# Altium PCB Jackson.PcbDoc (part 1 of 2) (continued)
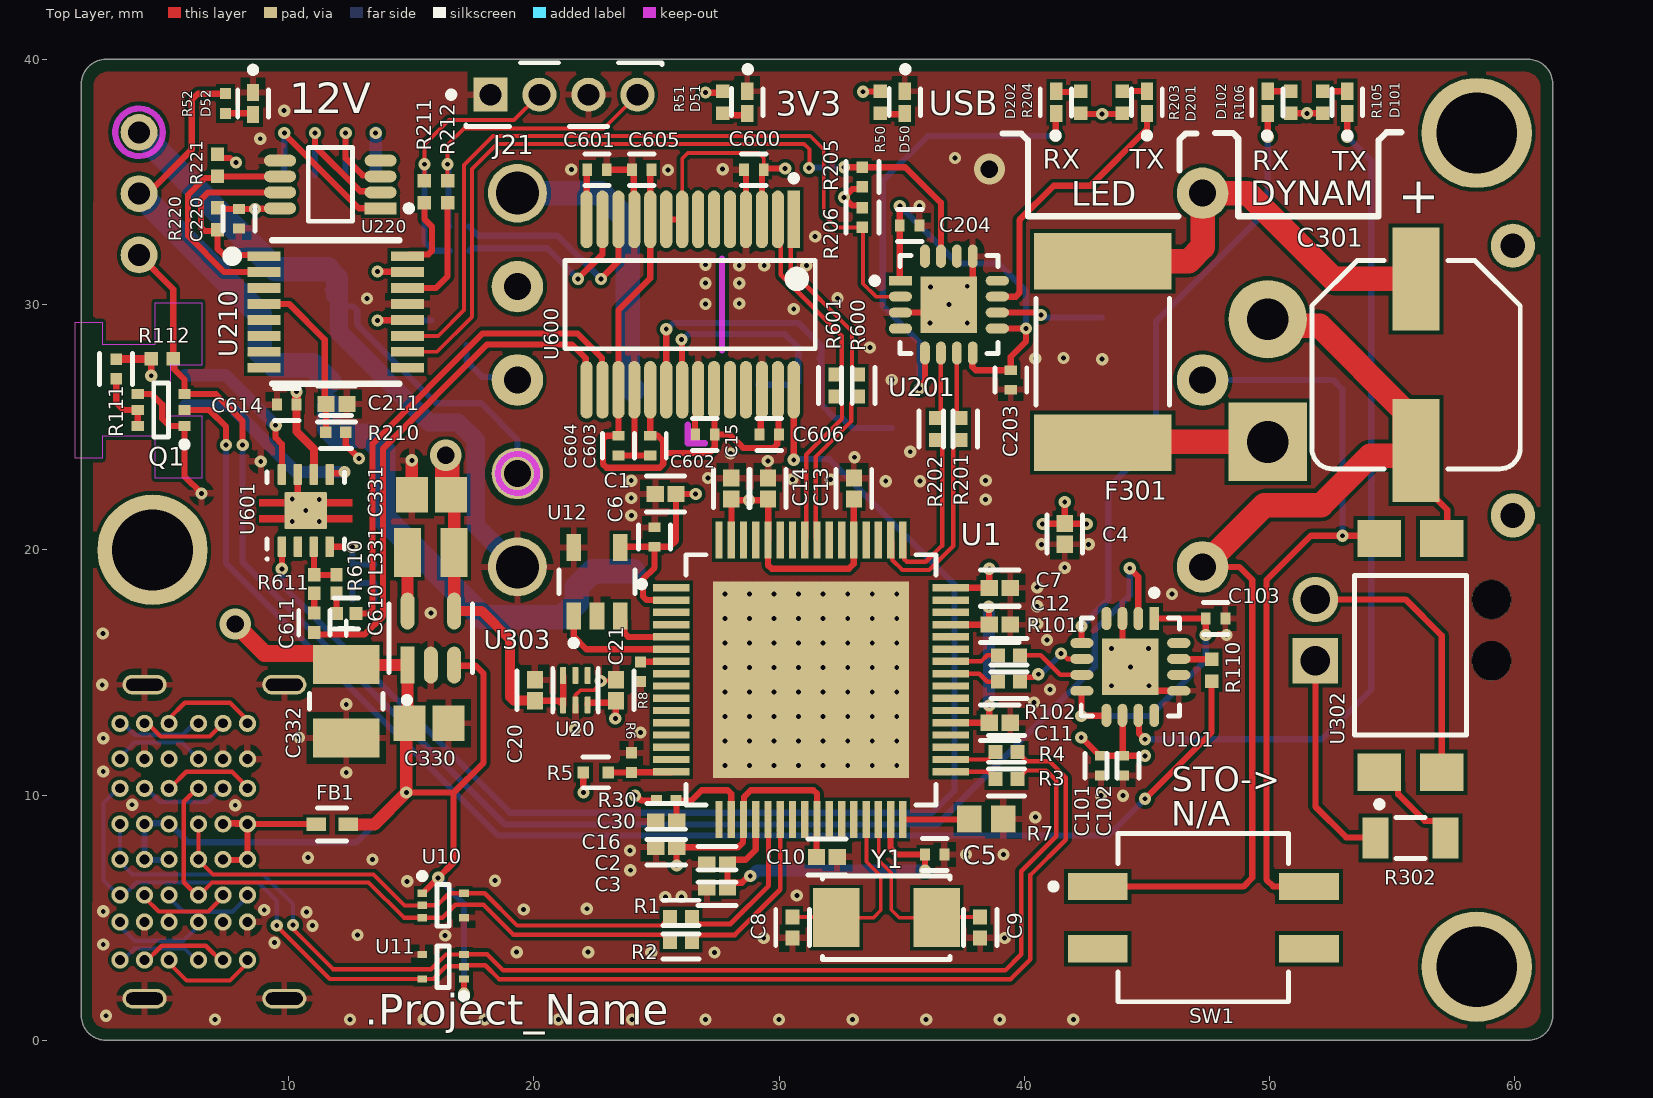
[diagram p0: Top Layer view]
## Components (designator, comment, footprint, x,y, rotation, side; value= is the part's Value field where it differs from the comment) (continued)
L331 "74404024100" WE-LQS_2512 15.8,19.9 r0 top
Q1 "MBT3904DW1T1G" ONSC-SOT-363-6-419B-02_W_V 4.8,25.7 r180 top
R1 "ERJ-2RKF27R0X" FP-ERJ2R-IPC_B 26,5.025 r0 top
R2 "ERJ-2RKF27R0X" FP-ERJ2R-IPC_B 26,4 r0 top
R3 "ERJ-2RKF27R0X" FP-ERJ2R-IPC_B 39.275,10.65 r0 top
R4 "ERJ-2RKF27R0X" FP-ERJ2R-IPC_B 39.275,11.75 r0 top
R5 "ERJ-2RKF9092X" FP-ERJ2RK-MFG 22.525,10.925 r0 top
R6 "ERJ2RKF1002X" RESC1005X40X25LL05T05 23.975,11.325 r270 top
R7 "ERA-3AED9531V" RESC1608X55X30ML20T20 38.45,9.025 r180 top
R8 "ERJ2RKF1002X" RESC1005X40X25LL05T05 24.354,15.024 r90 top
R30 "ERJ2RKF1002X" RESC1005X40X25LL05T05 25.4,9.775 r180 top
R50 "ERJ-2GEJ102X" RESC1005X40X25NL05T05 34.125,38.25 r90 top
R51 "ERJ-2GEJ102X" RESC1005X40X25NL05T05 27.7,38.25 r90 top
R52 "ERJ2RKF1002X" RESC1005X40X25LL05T05 7.425,38.2 r90 top
R101 "ERJ-2RKF27R0X" FP-ERJ2R-IPC_B 39.375,15.7 r0 top
R102 "ERJ-2RKF27R0X" FP-ERJ2R-IPC_B 39.375,14.625 r0 top
R105 "ERJ-2GEJ102X" RESC1005X40X25NL05T05 52.175,38.25 r270 top
R106 "ERJ-2GEJ102X" RESC1005X40X25NL05T05 50.875,38.25 r270 top
R110 "ERJ-2GEJ102X" RESC1005X40X25NL05T05 47.637,15.088 r270 top
R111 "ERJ-2RKF1003X" FP-ERJ2RK-IPC_C 2.963,27.375 r90 top
R112 "ERJ-2GEJ102X" RESC1005X40X25NL05T05 4.85,27.8 r180 top
R201 "ERJ-2RKF27R0X" FP-ERJ2R-IPC_B 37.4,24.925 r90 top
R202 "ERJ-2RKF27R0X" FP-ERJ2R-IPC_B 36.4,24.925 r90 top
R203 "ERJ-2GEJ102X" RESC1005X40X25NL05T05 44,38.25 r270 top
R204 "ERJ-2GEJ102X" RESC1005X40X25NL05T05 42.3,38.25 r270 top
R205 "ERJ-2RKF1003X" FP-ERJ2RK-IPC_C 33.4,35.2 r90 top
R206 "ERJ-2RKF1003X" FP-ERJ2RK-IPC_C 33.4,33.55 r270 top
R210 "ERJ-2RKF1003X" FP-ERJ2RK-IPC_C 11.925,24.8 r0 top
R211 "ERJ-2GEJ102X" RESC1005X40X25NL05T05 15.539,34.6 r90 top
R212 "ERJ-2GEJ102X" RESC1005X40X25NL05T05 16.482,34.6 r90 top
R220 "ERJ-2GEJ102X" RESC1005X40X25NL05T05 7.1,33.5 r90 top
R221 "ERJ-2GEJ102X" RESC1005X40X25NL05T05 7.1,35.675 r90 top
R301 "RN73C1E59KBTD" FP-RN731E-MFG 17.25,28.85 r90 bottom value=59KΩ
R302 "CR1206-JW-332ELF" FP-CR1206-IPC_B 55.75,8.25 r0 top
R600 "ERJ-2RKF27R0X" FP-ERJ2R-IPC_B 33.225,26.7 r90 top
R601 "ERJ-2RKF27R0X" FP-ERJ2R-IPC_B 32.3,26.7 r90 top
R610 "ERA2AEB683X" RESC1005X40X25LL10T10 11.95,18.6 r90 top
R611 "ERA2AEB683X" RESC1005X40X25LL10T10 11.05,18.6 r90 top
R612 "ERA2AEB683X" RESC1005X40X25LL10T10 12.6,19.025 r90 bottom
R613 "ERA2AEB683X" RESC1005X40X25LL10T10 13.5,19.025 r90 bottom
R620 "ERJ-2RKF1004X" RESC1005X40X25LL05T05 31.25,27.825 r180 bottom
SW1 "219-2MST" FP-219-2MST-MFG 47.3,5 r270 top
U1 "TUSB4041IPAPRQ1" FP-PAP0064K-MFG 31.3,14.7 r0 top
U10 "TPD2E001DRLRG4" DRL0005A_L 16.3,5.5 r0 top
U11 "TPD2E001DRLRG4" DRL0005A_L 16.3,3 r180 top
U12 "24FC01T-I/OT" FP-C04-091-OT-MFG 22.575,18.7 r90 top
U20 "TLV71211DSET" DSE0006A_V 21.696,14.277 r90 top
U101 "FT230XQ-R" FP-QFN-16-MFG 44.325,15.225 r270 top
U201 "FT230XQ-R" FP-QFN-16-MFG 36.925,30 r0 top
U210 "SC18IM704" TSSOP-16 11.925,29.7 r0 top
U220 "PCA9632DP1,118" FP-SOT505-1-IPC_C 11.7,34.9 r180 top
U301 "V48SD12005NNFA" "1/16 Brick" 33.3,26.924 r180 bottom
U302 "VO615A-8X017T" VISH-VO615A-XX017T_V 55.75,15.7 r90 top
U303 "TPS62203DBVR" FP-DBV0005A-IPC_B 15.8,16.4 r90 top
U600 "PCM2903CDB" FP-DB0028A-IPC_A 26.375,30 r270 top
U601 "TPA2006D1DRBR" DRB0008A_V 10.7,21.6 r90 top
U602 "ABM8-12.000MHZ-B2-T" FP-ABM8-MFG 31.825,25.85 r180 bottom
Y1 "ABM3-24.000MHZ-B2-T" FP-ABM3-MFG 34.375,5 r180 top

## Footprints (in the part's own frame and the unit in brackets; to place one, negate y for a bottom-side part, rotate by r counter-clockwise, add the part's x,y. Pads: shape width x height; smd on the part's side, far side on the other; paste and mask are expansions set on the pad)
"1/16 Brick" [mm]
  round 2.1 hole 1.1: 1(-13.97,7.62) 2(-13.97,0) 3(-13.97,-7.62) 5(13.97,-3.81) 6(13.97,0) 7(13.97,3.81)
  round 2.4 hole 1.75: 4(13.97,-7.62) 8(13.97,7.62)
  silkscreen extent -17,-11.9 17,11.9, body extent -16.55,-11.4 16.45,11.4, height 8.07
CAPC2013X140X50NL20T25 [mm] "Chip Capacitor, 2-Leads, Body 2.00x1.25mm, IPC Medium Density"
  rect 1.3x1.45 smd: 1(-0.8,0) 2(0.8,0)
  body extent -1.1,-0.72 1.1,0.72, height 1.4
DRB0008A_V [mm] "SON, 8-Leads, Body 3x3mm, Pitch 0.65mm, Thermal Pad 1.50 x 3.8mm"
  rrect29% 0.85x0.35 smd: 1(-1.475,0.975) 2(-1.475,0.325) 3(-1.475,-0.325) 4(-1.475,-0.975) 5(1.475,-0.975) 6(1.475,-0.325) 7(1.475,0.325) 8(1.475,0.975)
  rrect7% 1.5x1.75 smd: 9(0,0)
  Top Layer region: -0.185,0.875 -0.185,1.9 -0.465,1.9 -0.465,0.875
  Top Layer region: 0.185,-0.875 0.185,-1.9 0.465,-1.9 0.465,-0.875
  Top Layer region: -0.185,-0.875 -0.185,-1.9 -0.465,-1.9 -0.465,-0.875
  Top Layer region: 0.185,0.875 0.185,1.9 0.465,1.9 0.465,0.875
  silkscreen extent -2.02,-1.58 1.57,1.62, body extent -1.5,-1.5 1.5,1.5, height 1
DRL0005A_L [mm] "SOT23, 5-Leads, Body 1.7x1.3mm, Pitch 0.5mm, IPC High Density"
  rect 0.4x0.3 smd: 1(-0.85,0.5) 2(-0.85,0) 3(-0.85,-0.5) 4(0.85,-0.5) 5(0.85,0.5)
  silkscreen extent -0.97,-0.85 0.25,1.32, body extent -0.65,-0.85 0.65,0.85, height 0.6
DSE0006A_V [mm] "SON, 6-Leads, Body 1.55x1.55mm, Pitch 0.5mm, TI Recommended"
  rrect40% 0.66x0.25 smd: 1(-0.62,0.5)
  rrect40% 0.7x0.25 smd: 2(-0.6,0) 3(-0.6,-0.5) 4(0.6,-0.5) 5(0.6,0) 6(0.6,0.5)
  Top Layer region: -0.35,0.625 -0.25,0.625 -0.15,0.525 -0.15,0.375 -0.35,0.375
  silkscreen extent -0.9,-0.92 0.9,0.92, body extent -0.77,-0.77 0.77,0.77, height 0.8
"Dual USB C Connector" [mm] "USB-C31-D-RA-CS2"
  oval 0.8x1.8 hole 0.5 slot 1.5 at 90 deg: 1(-6.4,0) 1(-6.4,5.7) 1(6.4,0) 1(6.4,5.7)
  round 0.7 hole 0.4: 2A1(-3.375,4.7) 2A2(-4.825,4.7) 2A3(-4.825,5.7) 2A4(-0.725,4.7) 2A5(-2.175,4.7) 2A6(0.725,6.7) 2A7(2.175,6.7) 2A8(2.175,4.7) 2A9(0.725,4.7) 2A10(4.825,5.7) 2A11(4.825,4.7) 2A12(3.275,4.7) 2B1(3.275,5.7) 2B2(4.825,6.7) 2B3(3.275,6.7) 2B4(0.725,5.7) 2B5(2.175,5.7) 2B6(-0.725,6.7) 2B7(-2.175,6.7) 2B8(-2.175,5.7) 2B9(-0.725,5.7) 2B10(-3.375,6.7) 2B11(-4.825,6.7) 2B12(-3.375,5.7) A1(-3.375,1.5) A2(-4.825,1.5) A3(-4.825,2.5) A4(-0.725,1.5) A5(-2.175,1.5) A6(0.725,3.5) A7(2.175,3.5) A8(2.175,1.5) A9(0.725,1.5) A10(4.825,2.5) A11(4.825,1.5) A12(3.275,1.5) B1(3.275,2.5) B2(4.825,3.5) B3(3.275,3.5) B4(0.725,2.5) B5(2.175,2.5) B6(-0.725,3.5) B7(-2.175,3.5) B8(-2.175,2.5) B9(-0.725,2.5) B10(-3.375,3.5) B11(-4.825,3.5) B12(-3.375,2.5)
  silkscreen extent -6.4,-9.83 6.4,7.8, body extent -6.5,-9.82 6.5,7.88, height 15.4
FP-0ZCF0100AF2A-MFG [mm]
  rect 2.3x5.6 smd paste+0 mask+0: 1(-3.7,0) 2(3.7,0)
  silkscreen extent -2.17,-2.72 2.17,2.72, body extent -3.68,-2.56 3.68,2.56, height 1.7
FP-219-2MST-MFG [mil]
  rect 44x96 smd paste+0 mask+0: 1(-50,-169.5) 2(50,-169.5) 3(50,169.5) 4(-50,169.5)
  silkscreen extent -135,-245 135,137, body extent -139,-221 139,221, height 10
FP-53398-0467-MFG [mm]
  rect 0.8x1.3 smd paste+0 mask+0: 1(1.875,-2) 2(0.625,-2) 3(-0.625,-2) 4(-1.875,-2)
  rect 2.1x3 smd paste+0 mask+0: 5(-4.425,0.75) 6(4.425,0.75)
  silkscreen extent -4.97,-3.32 4.97,1.95, body extent -5.07,-2.35 5.07,1.85, height 4.9
FP-105313-1102-MFG [mm]
  rect 1.85x1.85 hole 1.2 paste-2539.97 mask+0: 1(1.25,6.88)
  round 1.85 hole 1.2 paste-2539.97 mask+0: 2(-1.25,6.88)
  round 1.6 hole 1.6 unplated paste-2539.97 mask+0: ""(-1.25,-0.3) ""(1.25,-0.3)
  silkscreen extent -3.07,-5.16 3.07,8.52, body extent -2.97,-4.97 2.97,7.19, height 6.82
FP-5055680271-MFG [mm]
  rect 0.8x1.2 smd paste+0 mask+0: 1(-0.625,-1.725) 2(0.625,-1.725)
  rect 1.3x2.15 smd paste+0 mask+0: 3(-2.525,0.57) 4(2.525,0.57)
  Keep-Out Layer region: -2.775,2.745 -2.775,1.645 -1.875,1.645 -1.875,-0.505 -3.575,-0.505 -3.575,-2.405 -1.025,-2.405 -1.025,-1.125 1.025,-1.125 1.025,-2.405 3.575,-2.405 3.575,-0.505 1.875,-0.505 1.875,1.645 2.775,1.645 2.775,2.745
  silkscreen extent -2.98,-3.15 2.98,2.02, body extent -2.87,-2 2.88,1.91, height 4.44
FP-ABM3-MFG [mm]
  rect 1.9x2.4 smd paste+0 mask+0: 1(-2.05,0) 2(2.05,0)
  silkscreen extent -2.6,-1.7 2.6,1.7, body extent -3.1,-1.8 3.1,1.8, height 0.25
FP-ABM8-MFG [mm]
  rect 1.3x1.05 smd paste+0 mask+0: 1(-1.15,-0.875) 2(1.15,-0.875) 3(1.15,0.875) 4(-1.15,0.875)
  silkscreen extent -2.5,-1.88 1.7,1.88, body extent -1.6,-1.25 1.6,1.25, height 0.8
FP-APHHS1005CGCK-MFG [mm]
  rect 0.7x0.5 smd paste+0 mask+0: 1(-0.45,0) 2(0.45,0)
  silkscreen extent -1.47,-0.63 0.55,0.65, body extent -0.9,-0.4 0.9,0.4, height 0.25
FP-APHHS1005LSECK-J4-PF-MFG [mm]
  rect 0.7x0.5 smd paste+0 mask+0: 1(-0.45,0) 2(0.45,0)
  silkscreen extent -1.47,-0.63 0.55,0.63, body extent -0.9,-0.4 0.9,0.4, height 0.25
FP-APHHS1005SURCK-MFG [mm]
  rect 0.7x0.5 smd paste+0 mask+0: 1(-0.45,0) 2(0.45,0)
  silkscreen extent -1.5,-0.63 0.55,0.63, body extent -0.9,-0.4 0.9,0.4, height 0.25
FP-C04-091-OT-MFG [mm]
  rect 1.1x0.6 smd paste+0 mask+0: 1(-1.4,0.95) 2(-1.4,0) 3(-1.4,-0.95) 4(1.4,-0.95) 5(1.4,0.95)
  silkscreen extent -2.62,-1.55 0.48,1.55, body extent -1.35,-1.45 1.35,1.45, height 1.45
FP-C0402-BB-MFG [mm]
  rect 0.52x0.52 smd paste+0 mask+0: 1(-0.4,0) 2(0.4,0)
  silkscreen extent -0.5,-0.64 0.5,0.64, body extent -0.5,-0.25 0.5,0.25, height 0.55
FP-CR1206-IPC_B [mm]
  rect 1.058x1.662 smd paste+0 mask+0: 1(-1.427,0) 2(1.427,0)
  silkscreen extent -0.6,-0.83 0.6,0.83, body extent -1.55,-0.77 1.55,0.77, height 0.65
FP-DB0028A-IPC_A [mm]
  rect 2.353x0.495 smd paste+0 mask+0: 1(-3.475,4.225)
  rrect100% 2.353x0.495 smd paste+0 mask+0: 2(-3.475,3.575) 3(-3.475,2.925) 4(-3.475,2.275) 5(-3.475,1.625) 6(-3.475,0.975) 7(-3.475,0.325) 8(-3.475,-0.325) 9(-3.475,-0.975) 10(-3.475,-1.625) 11(-3.475,-2.275) 12(-3.475,-2.925) 13(-3.475,-3.575) 14(-3.475,-4.225) 15(3.475,-4.225) 16(3.475,-3.575) 17(3.475,-2.925) 18(3.475,-2.275) 19(3.475,-1.625) 20(3.475,-0.975) 21(3.475,-0.325) 22(3.475,0.325) 23(3.475,0.975) 24(3.475,1.625) 25(3.475,2.275) 26(3.475,2.925) 27(3.475,3.575) 28(3.475,4.225)
  silkscreen extent -5.28,-5.1 1.8,5.1, body extent -3.9,-5.1 3.9,5.1, height 2
FP-DBV0005A-IPC_B [mm]
  rect 1.505x0.572 smd paste+0 mask+0: 1(-1.1,0.95)
  rrect100% 1.505x0.572 smd paste+0 mask+0: 2(-1.1,0) 3(-1.1,-0.95) 4(1.1,-0.95) 5(1.1,0.95)
  silkscreen extent -2.65,-1.7 1.4,1.7, body extent -2.1,-1.7 2.1,1.7, height 0.25
FP-ERJ2R-IPC_B [mm]
  rect 0.568x0.572 smd paste+0 mask+0: 1(-0.452,0) 2(0.452,0)
  silkscreen extent -0.74,-0.69 0.74,0.69, body extent -0.89,-0.44 0.89,0.44, height 0.25
FP-ERJ2RK-IPC_C [mm]
  rect 0.468x0.472 smd paste+0 mask+0: 1(-0.402,0) 2(0.402,0)
  silkscreen extent -0.64,-0.67 0.64,0.67, body extent -0.74,-0.38 0.74,0.38, height 0.25
FP-ERJ2RK-MFG [mm]
  rect 0.475x0.5 smd paste+0 mask+0: 1(-0.513,0) 2(0.513,0)
  silkscreen extent -0.53,-0.63 0.53,0.63, body extent -0.85,-0.38 0.85,0.38, height 0.25
FP-GJM155-0_05-IPC_B [mm]
  rect 0.615x0.572 smd paste+0 mask+0: 1(-0.429,0) 2(0.429,0)
  silkscreen extent -0.74,-0.69 0.74,0.69, body extent -0.89,-0.44 0.89,0.44, height 0.25
FP-GRM155-0_05-MFG [mm]
  rect 0.4x0.5 smd paste+0 mask+0: 1(-0.4,0) 2(0.4,0)
  silkscreen extent -0.5,-0.65 0.5,0.65, body extent -0.7,-0.38 0.7,0.38, height 0.25
FP-GRM155-0_15-IPC_B [mm]
  rect 0.704x0.658 smd paste+0 mask+0: 1(-0.427,0) 2(0.427,0)
  silkscreen extent -0.78,-0.73 0.78,0.73, body extent -0.93,-0.48 0.93,0.48, height 0.25
FP-LI0402-MFG [mm]
  rect 0.8x0.55 smd paste+0 mask+0: 1(-0.65,0) 2(0.65,0)
  silkscreen extent -0.6,-0.67 0.6,0.67, body extent -1.15,-0.45 1.15,0.45, height 0.25
FP-PAP0064K-MFG [mm]
  rect 1.5x0.3 smd paste+0 mask+0: 1(-5.7,3.75) 2(-5.7,3.25) 3(-5.7,2.75) 4(-5.7,2.25) 5(-5.7,1.75) 6(-5.7,1.25) 7(-5.7,0.75) 8(-5.7,0.25) 9(-5.7,-0.25) 10(-5.7,-0.75) 11(-5.7,-1.25) 12(-5.7,-1.75) 13(-5.7,-2.25) 14(-5.7,-2.75) 15(-5.7,-3.25) 16(-5.7,-3.75) 33(5.7,-3.75) 34(5.7,-3.25) 35(5.7,-2.75) 36(5.7,-2.25) 37(5.7,-1.75) 38(5.7,-1.25) 39(5.7,-0.75) 40(5.7,-0.25) 41(5.7,0.25) 42(5.7,0.75) 43(5.7,1.25) 44(5.7,1.75) 45(5.7,2.25) 46(5.7,2.75) 47(5.7,3.25) 48(5.7,3.75)
  rect 0.3x1.5 smd paste+0 mask+0: 17(-3.75,-5.7) 18(-3.25,-5.7) 19(-2.75,-5.7) 20(-2.25,-5.7) 21(-1.75,-5.7) 22(-1.25,-5.7) 23(-0.75,-5.7) 24(-0.25,-5.7) 25(0.25,-5.7) 26(0.75,-5.7) 27(1.25,-5.7) 28(1.75,-5.7) 29(2.25,-5.7) 30(2.75,-5.7) 31(3.25,-5.7) 32(3.75,-5.7) 49(3.75,5.7) 50(3.25,5.7) 51(2.75,5.7) 52(2.25,5.7) 53(1.75,5.7) 54(1.25,5.7) 55(0.75,5.7) 56(0.25,5.7) 57(-0.25,5.7) 58(-0.75,5.7) 59(-1.25,5.7) 60(-1.75,5.7) 61(-2.25,5.7) 62(-2.75,5.7) 63(-3.25,5.7) 64(-3.75,5.7)
  rect 8x8 all layers, no hole paste-2539.97: 65(0,0)
  silkscreen extent -7.02,-5.1 5.1,5.1, body extent -6.55,-6.55 6.55,6.55, height 0.25
FP-POSCAP-B1S-MFG [mm]
  rect 1.6x2.7 smd paste+0 mask+0: 1(-1.5,0) 2(1.5,0)
  silkscreen extent -0.33,-1.5 3.27,1.5, body extent -2.4,-1.6 2.4,1.6, height 0.25
FP-QFN-16-MFG [mm]
  rect 0.95x0.4 smd paste+0 mask+0: 1(-1.975,0.975)
  rrect100% 0.95x0.4 smd paste+0 mask+0: 2(-1.975,0.325) 3(-1.975,-0.325) 4(-1.975,-0.975) 9(1.975,-0.975) 10(1.975,-0.325) 11(1.975,0.325) 12(1.975,0.975)
  rrect100% 0.4x0.95 smd paste+0 mask+0: 5(-0.975,-1.975) 6(-0.325,-1.975) 7(0.325,-1.975) 8(0.975,-1.975) 13(0.975,1.975) 14(0.325,1.975) 15(-0.325,1.975) 16(-0.975,1.975)
  rect 2.3x2.3 smd paste+0 mask+0: 17(0,0)
  silkscreen extent -3.15,-2 2,2, body extent -2.55,-2.55 2.55,2.55, height 0.25
FP-RN731E-MFG [mm]
  rect 0.5x0.6 smd paste+0 mask+0: 1(-0.5,0) 2(0.5,0)
  silkscreen extent -0.53,-0.67 0.53,0.67, body extent -0.5,-0.25 0.5,0.25, height 0.35
FP-SOT505-1-IPC_C [mm]
  rect 1.305x0.482 smd paste+0 mask+0: 1(-2.05,0.975)
  rrect100% 1.305x0.482 smd paste+0 mask+0: 2(-2.05,0.325) 3(-2.05,-0.325) 4(-2.05,-0.975) 5(2.05,-0.975) 6(2.05,-0.325) 7(2.05,0.325) 8(2.05,0.975)
  silkscreen extent -3.33,-1.5 0.9,1.5
FP-TMM-104-01-S-S-MFG [mm]
  rect 1.39x1.39 hole 0.89 paste-2539.97 mask+0: 1(-3,0)
  round 1.39 hole 0.89 paste-2539.97 mask+0: 2(-1,0) 3(1,0) 4(3,0)
  silkscreen extent -4.72,-1.3 4,1.3, body extent -4.1,-2.07 4.1,2.07, height 0.25
"JST B3B-EH-A" [mm]
  round 1.5 hole 0.9: 1(-2.5,0) 2(0,0) 3(2.5,0)
  silkscreen extent -4.75,-1.9 4.75,1.91, body extent -5,-2.2 5,1.6, height 6
ONSC-SOT-363-6-419B-02_W_V [mm] "SOT23, 6-Leads, Body 2x1.25mm, Pitch 0.65mm"
  rect 0.5x0.4 smd: 1(-0.95,0.65) 2(-0.95,0) 3(-0.95,-0.65) 4(0.95,-0.65) 5(0.95,0) 6(0.95,0.65)
  silkscreen extent -1.08,-1.1 0.3,1.52, body extent -0.63,-1 0.63,1, height 1.1
RESC1005X40X25LL05T05 [mm] "Chip Resistor, 2-Leads, Body 1.05x0.55mm, IPC High Density"
  rect 0.45x0.45 smd: 1(-0.4,0) 2(0.4,0)
  body extent -0.53,-0.28 0.53,0.28, height 0.4
RESC1005X40X25LL10T10 [mm] "Chip Resistor, 2-Leads, Body 1.00x0.50mm, IPC High Density"
  rect 0.55x0.5 smd: 1(-0.375,0) 2(0.375,0)
  body extent -0.55,-0.3 0.55,0.3, height 0.4
RESC1005X40X25NL05T05 [mm] "Chip Resistor, 2-Leads, Body 1.00x0.50mm, IPC Medium Density"
  rect 0.55x0.55 smd: 1(-0.45,0) 2(0.45,0)
  body extent -0.53,-0.27 0.53,0.28, height 0.4
RESC1608X55X30ML20T20 [mm] "Chip Resistor, 2-Leads, Body 1.60x0.80mm, IPC Low Density"
  rect 1x1.1 smd: 1(-0.7,0) 2(0.7,0)
  body extent -0.9,-0.5 0.9,0.5, height 0.55
TSSOP-16 [mm]
  rect 1.35x0.4 smd: 1(-2.925,2.275) 2(-2.925,1.625) 3(-2.925,0.975) 4(-2.925,0.325) 5(-2.925,-0.325) 6(-2.925,-0.975) 7(-2.925,-1.625) 8(-2.925,-2.275) 9(2.925,-2.275) 10(2.925,-1.625) 11(2.925,-0.975) 12(2.925,-0.325) 13(2.925,0.325) 14(2.925,0.975) 15(2.925,1.625) 16(2.925,2.275)
  silkscreen extent -4.37,-2.93 2.6,2.93
VISH-VO615A-XX017T_V [mm] "SMD, 4-Leads, Body 6.5x4.58mm, Pitch 2.54mm"
  rect 1.52x1.78 smd: 1(-4.765,1.27) 2(-4.765,-1.27) 3(4.765,-1.27) 4(4.765,1.27)
  silkscreen extent -6.2,-2.29 3.25,2.29, body extent -5.08,-2.29 5.08,2.29, height 3.69
WCAP-HSG5_D6.3H7.7 [mm] "Aluminum Hybrid Polymer Capacitor, SMT, body diameter 6.3mm"
  rect 3.5x1.6 smd: 1(2.8,0) 2(-2.8,0)
  silkscreen extent -3.4,-3.4 3.4,3.4, body extent -3.6,-3.3 3.6,3.3, height 7.75
WCAP-HSG5_D8H10.5 [mm] "Aluminum Hybrid Polymer Capacitor, SMT, body diameter 8mm"
  rect 4.2x1.9 smd: 1(3.5,0) 2(-3.5,0)
  silkscreen extent -4.25,-4.25 4.25,4.25, body extent -4.5,-4.15 4.5,4.15, height 10.55
WE-LQS_2512 [mm] "SMD Power Inductor, 2-Leads, body 2.5x2mm"
  rect 1.1x2 smd: 1(-0.95,0) 2(0.95,0)
  body extent -1.25,-1 1.25,1, height 1.2
XT30PW_M [mm] "Amass XT30 RA TH male header"
  rect 3.2x3.2 hole 1.7 mask+0.064: 1(-2.5,0)
  round 3.2 hole 1.7 mask+0.064: 2(2.5,0)
  round 1.8 hole 1 mask+0.064: 21(-5.5,10) 21(5.5,10)
  silkscreen extent -7.75,4.25 7.75,13.25, body extent -6.65,-0.85 6.65,13.1, height 5

## Part data
C1 C2 C3 C4 C7 C10 C11 C12 C13 C14 C15 C16 C20 C21 C30 C211: library part CMP-06035-007392-1, "Chip Multilayer Ceramic Capacitors for General Purpose, 0402, 10000pF, C0G, 30ppm/°C, 2%, 25V"
C5 C6 C101 C102 C103 C201 C202 C203 C204 C210 C220 C600 C601 C602 C603 C604 C605 C606 C614: library part CMP-2008-04587-2, "Chip Multilayer Ceramic Capacitors for General Purpose, 0402, 1.0uF, X7R, 15%, 10%, 6.3V", Capacitance=1uF, Case Code (Imperial)=0402, Case Code (Metric)=1005, Dielectric=X7R, Max Operating Temperature=125°C, Min Operating Temperature=-55°C, Package Quantity=10000, Tolerance=10%, Voltage Rating=6.3V, Case/Package=0402, Depth=0.5mm, Height=0.5mm, Lead Free="Lead Free", Length=1mm, Material=Ceramic, Mount="Surface Mount", Packaging="Tape and Reel", Termination=SMD/SMT, Thickness=0.022inch, Voltage Rating (DC)=6.3V, Weight=0.000212oz, Width=0.5mm
C8 C9 C620 C621: library part CMP-2008-03807-2, "Multi-Layer Ceramic Capacitor 18pF C0G  ±5% 0402 Paper T/R", Capacitance=18pF, Case Code (Imperial)=0402, Case Code (Metric)=1005, Dielectric=C0G, Max Operating Temperature=125°C, Min Operating Temperature=-55°C, Package Quantity=1, Tolerance=5%, Voltage=50V, Case/Package=0402, Depth=0.5mm, Height=0.5mm, Lead Free="Lead Free", Length=1mm, Mount="Surface Mount", Packaging="Tape and Reel", Radiation Hardening=No, Termination=SMD/SMT, Thickness=0.022inch, Voltage Rating=50V, Voltage Rating (DC)=50V, Width=0.02inch
C301: library part CMP-03913-134709168-1, "875575853004 Cap, 47Uf, 63V, Alu Elec, Hybrid, Smd Rohs Compliant: Yes", Capacitance=47µF, ESR (Equivalent Series Resistance)=40mΩ, Leakage Current=29.6µA, Max Operating Temperature=105°C, Min Operating Temperature=-55°C, Ripple Current=1.7A, Voltage Rating=63V, Diameter=8mm, Length=10.5mm, NexarPartId=134709168, RoHS=Compliant, Width=8.3mm
C330 C331: library part CMP-2007-03245-1, Manufacturer=Kemet, Part Number=C0805C106M8RACTU
C332: library part CMP-05428-000345-1, "Molded Tantalum Polymer Capacitor 150uF 20% 6.3V life 2000Hours SMD 1411", RoHS Compliant=Yes
C334: library part CMP-03913-134709149-1, "875575345004 Cap, 220Uf, 16V, Alu Elec, Hybrid, Smd Rohs Compliant: Yes", Capacitance=220µF, ESR (Equivalent Series Resistance)=30mΩ, Leakage Current=35.2µA, Max Operating Temperature=105°C, Min Operating Temperature=-55°C, Ripple Current=2A, Voltage Rating=16V, Diameter=6.3mm, Length=7.7mm, NexarPartId=134709149, RoHS=Compliant, Width=6.5mm
C607 C608 C610 C611 C612 C613: library part CMP-2008-03070-3, "Multilayer Ceramic Capacitors MLCC - SMD/SMT 25volts 10000pF X7R 10%", Capacitance="10,000 pF", Manufacturer=Kemet, Package=C0402-BB, Temperature="-55°C to +125°C", Temperature Characteristic=X7R, Temperature Coefficient=15%, Temperature Range High=+125°C, Temperature Range Low=-55°C, Tolerance=0.1, Voltage Rating="25 V", Automotive=No, Category=Cap, ComponentLink2Description=Datasheet, ComponentLink2URL=https://content.kemet.com/datasheets/KEM_C1002_X7R_SMD.pdf, Device Class L1="Passive Components", Device Class L2=Capacitors, Device Class L3="Ceramic Capacitors", Digikey Description="Multilayer Ceramic Capacitors MLCC - SMD/SMT 25volts 10000pF X7R 10%", Height=0.55mm, Ipc Land Pattern Name=CAPC10050X50, Lead Free=Yes, Manufacturer Part Number=C0402C103K3RACTU, Material=Ceramic, Octopart=https://octopart.com/c0402c103k3ractu-kemet-129636, RoHS=TRUE
D50 D51 D102 D202: library part CMP-44529-000044-1, "LED GREEN CLEAR CHIP SMD", Case Code (Imperial)=0402, Case Code (Metric)=1005, Color=Green, Forward Current=20mA, Forward Voltage=2.1V, Lens Color=Clear, Max Operating Temperature=85°C, Min Operating Temperature=-40°C, Package Quantity=2000, Case/Package=0402, Dominant Wavelength=570nm, Height=0.6mm, Illumination Color=Green, Lead Free="Lead Free", Length=1mm, Lens Style=Clear, Luminous Intensity=50mcd, Mount="Surface Mount", Number of LEDs=1, Number of Pins=2, Packaging="Tape and Reel", Test Current=20mA, Viewing Angle=120°, Wavelength=570nm, Width=0.5mm
D52: library part CMP-2000-05787-2, "LED RED CLEAR CHIP SMD", Case Code (Imperial)=0402, Case Code (Metric)=1005, Color=Red, Forward Current=20mA, Forward Voltage=1.95V, Lens Color=Clear, Max Operating Temperature=85°C, Min Operating Temperature=-40°C, Package Quantity=2000, Case/Package=0402, Dominant Wavelength=630nm, Height=0.6mm, Illumination Color=Red, Lead Free="Lead Free", Length=1mm, Lens Style=Clear, Luminous Intensity=220mcd, Mount="Surface Mount", Number of LEDs=1, Number of Pins=2, Packaging="Tape and Reel", Test Current=20mA, Viewing Angle=120°, Wavelength=635nm, Width=0.5mm
D101 D201: library part CMP-00682-82290958-1, "APHHS1005LSECK/J4-PF LED Uni-Color SB. Orange 611nm 2-Pin SMD T/R", Case/Package=0402, Color=Orange, Forward Current=2mA, Forward Voltage=1.8V, Max Junction Temperature (Tj)=115°C, Max Operating Temperature=85°C, Min Operating Temperature=-40°C, Power Dissipation=84mW, Reverse Voltage=5V, Height=600µm, Luminous Intensity=40mcd, NexarPartId=82290958, RoHS=Non-Compliant, Schedule B="8541402000, 8541402000", Viewing Angle=120°, Wavelength=605nm
F301 F302: library part CMP-16043-000014-1, "PTC RESET FUSE 60V 1A 2920", Case Code (Imperial)=2920, Case Code (Metric)=7351, Hold Current=1A, Max Current Rating=100A, Trip Current=2A, Length=0.29inch, Mount="Surface Mount", Packaging="Tape and Reel", RoHS Compliant=Yes, Thickness=0.067inch, Time to Trip=0.5s, Width=0.202inch
FB1: library part CMP-19111-000011-1, "FERRITE BEAD 60 OHM 0402 1LN", Case Code (Imperial)=0402, Case Code (Metric)=1005, DC Resistance (DCR)=300mR, Frequency=100MHz, Max Current Rating=500mA, Max Operating Temperature=125°C, Min Operating Temperature=-40°C, Package Quantity=1, Case/Package=0402, Core Material=Ferrite, Depth=0.7mm, Height=0.028inch, Impedance=60R, Lead Free="Lead Free", Length=0.04inch, Max DC Current=500mA, Mount="Surface Mount", Number of Lines=1, Packaging="Tape and Reel", Termination=SMD/SMT, Test Frequency=100MHz, Weight=0.00192oz, Width=0.02inch
J20: library part "USB C", "Dual USB C Connector"
J21: library part CMP-02766-001674-1, "CONN HEADER VERT 4POS 2MM", Color=Black, Max Current Rating=3.9A, Max Operating Temperature=125°C, Max Voltage Rating (AC)=500V, Min Operating Temperature=-55°C, Package Quantity=1, Connector Type="Male Pin", Contact Material=Bronze, Contact Mating Length=0.126inch, Contact Plating=Gold, Contact Type="Male Pin", Depth=1.97mm, Gender=Male, Housing Color=Black, Housing Material=Polymer, Lead Free="Lead Free", Length=8mm, Mount="Through Hole", Number of Contacts=4, Number of Positions=4, Number of Rows=1, Orientation=Straight, Packaging=Bulk, Pitch=2mm, Radiation Hardening=No, RoHS Compliant=Yes, Series="FleXYZ™ TMM", Termination=Solder, Width=1.97mm
J22: library part CMP-04776-000301-1, "CONN HEADER SMD 4POS 1.25MM", Contact Resistance=20mR, Current Rating=1A, Max Operating Temperature=85°C, Max Voltage Rating (AC)=125V, Min Operating Temperature=-40°C, Contact Gender=Male, Contact Material=Bronze, Contact Plating=Tin, Housing Material=Nylon, Mount="Surface Mount", Number of Contacts=4, Number of Positions=4, Number of Rows=1, Orientation=Straight, Packaging="Tape and Reel", Pitch=1.25mm, Radiation Hardening=No, RoHS Compliant=Yes, Termination=Solder, Voltage Rating=125V
J301: "Amass XT30 RA TH male header", Manufacturer=Amass, Manufacturer Part Number=XT30PW-M
J302: library part CMP-04776-000341-1, "CONN HEADER R/A 2POS 2.5MM"
J601: library part CMP-04776-000038-1, "CONN HEADER SMD 2POS 1.25MM", Current Rating=1.5A, Manufacturer=molex, Package=0, Temperature="-40°C to +105°C", Temperature Range High=+105°C, Temperature Range Low=-40°C, Voltage Rating=50V, Automotive=No, Category=Conn, ComponentLink2Description=Datasheet, ComponentLink2URL=https://www.molex.com/webdocs/datasheets/pdf/en-us/5055680271_PCB_HEADERS.pdf, Conn Gender=Male, Conn Orientation=Vertical, Contact Material=Tin,Nickel, Device Class L1=Connectors, Device Class L2="Headers and Wire Housings", Device Class L3=unset, Digikey Description="CONN HEADER SMD 2POS 1.25MM", Footprint Url=https://www.molex.com/pdm_docs/sd/5055680271_sd.pdf, Height=4.4mm, Lead Free=Yes, Manufacturer Part Number=5055680271, Number of Contacts=2, Number of Rows=1, Octopart=https://octopart.com/505568-0271-molex-84869617, Pitch=1.25mm, RoHS=TRUE
L331: library part CMP-1354-00007-2, Ambient Temperature Range High=85°C, Ambient Temperature Range Low=-40°C, Case/Package=Nonstandard, Current Rating=650mA, DC Resistance (DCR)=430mΩ, Inductance=10µH, Inductance Tolerance=20%, Max DC Current=470mA, Max Operating Temperature=125°C, Saturation Current=850mA, Self Resonant Frequency=30MHz, Test Frequency=1MHz, Composition=Wirewound, Core Material=Ferrite, Height=1.2mm, Height - Seated (Max)=1.1938mm, Length=2.5mm, Min Operating Temperature=-40°C, Mount="Surface Mount", NexarPartId=46948232, Packaging="Tape & Reel (TR)", REACH SVHC=Unknown, RMS Current (Irms)=470mA, RoHS=Compliant, Shielding=Shielded, Termination=SMD/SMT, Tolerance=20%, Weight=32.006612mg, Width=2mm
Q1: library part CMP-1048-00877-1, "Dual General Purpose Transistors, 6-Pin SOT-363, Pb-Free, Tape and Reel", Manufacturer="On Semiconductor", ComponentLink1Description="Manufacturer URL", ComponentLink1URL=http://www.onsemi.com/, ComponentLink2Description=Datasheet, ComponentLink2URL=http://www.onsemi.com/pub_link/Collateral/MBT3904DW1T1-D.PDF, ComponentLink3Description="Package Specification", ComponentLink3URL=http://www.onsemi.com/pub_link/Collateral/NTJD4001N-D.PDF, DatasheetVersion="Rev. 9", fT Min (MHz)=300, IC Continuous (A)=0.2, Mounting Technology="Surface Mount", PackageDescription="6-Pin Small Outline Transistor, Body 2 x 1.25 mm, Pitch 0.65 mm", PackageReference=SOT-363-6-419B-02_W, PackageVersion="Rev. W, 01/2006", Packing="Tape and Reel", PartNumber=MBT3904DW1T1G, Polarity="Dual NPN", RoHS=TRUE
R1 R2 R3 R4 R101 R102 R201 R202 R600 R601: library part CMP-2002-00830-2, "RES SMD 27 OHM 1% 1/10W 0402", Case Code (Imperial)=0402, Case Code (Metric)=1005, Max Operating Temperature=155°C, Max Power Dissipation=100mW, Min Operating Temperature=-55°C, Package Quantity=1, Resistance=27R, Resistance Tolerance=1%, Resistor Type="Thick Film", Temperature Coefficient=100ppm/°C, Voltage Rating=50V, Case/Package=0402, Construction=Rectangular, Contact Plating=Tin, Depth=0.5mm, Features="Automotive AEC-Q200", Height=0.35mm, Lead Free="Lead Free", Length=1mm, Military Standard=Not, Mount="Surface Mount", Number of Pins=2, Number of Terminations=2, Packaging="Tape and Reel", Power Rating=100mW, Radiation Hardening=No, REACH SVHC="No SVHC", RoHS Compliant=Yes, Series=ERJ, Technology="THICK FILM", Termination=SMD/SMT, Tolerance=1%, Voltage Rating (DC)=50V, Weight=2.8E-05oz, Width=0.5mm
R5: library part CMP-1011-00731-3, "RES SMD 90.9K OHM 1% 1/10W 0402", Case Code (Imperial)=0402, Case Code (Metric)=1005, Max Operating Temperature=155°C, Max Power Dissipation=100mW, Min Operating Temperature=-55°C, Package Quantity=1, Resistance=90.9kR, Resistance Tolerance=1%, Resistor Type="Thick Film", Temperature Coefficient=100ppm/°C, Voltage Rating=50V, Case/Package=0402, Construction=Rectangular, Contact Plating=Tin, Depth=0.5mm, Features="Automotive AEC-Q200", Height=0.016inch, Length=1mm, Military Standard=Not, Mount="Surface Mount", Number of Terminations=2, Packaging="Tape and Reel", Power Rating=100mW, REACH SVHC="No SVHC", RoHS Compliant=Yes, Series=ERJ, Termination=SMD/SMT, Tolerance=1%, Voltage Rating (DC)=50V, Width=0.02inch
R6 R8 R30 R52: library part CMP-2000-07588-1, "Chip Resistor, 10 KOhm, +/- 1%, 0.1 W, -55 to 155 degC, 0402 (1005 Metric), RoHS, Tape and Reel", Case Code (Imperial)=0402, Case Code (Metric)=1005, Manufacturer=Panasonic, Max Operating Temperature=155degC, Max Power Dissipation=100mW, Min Operating Temperature=-55degC, Package Description="2-Pin Surface Mount Device, Body 1 x 0.5 mm", Package Quantity=1, Package Reference=402, Resistance=10KOhm, Temperature Coefficient=100ppm\/degreesC, Tolerance=1%, Voltage Rating=50V, Case\/Package=0402, Composition=ThickFilm, Contact Plating=Tin, Datasheet URL=https://industrial.panasonic.com/cdbs/www-data/pdf/RDA0000/AOA0000C304.pdf, Datasheet Version=02/2017, Depth=0.5mm, Height=0.35mm, Lead Free=LeadFree, Length=1mm, Manufacturer URL=http://www.panasonic.com/, Military Standard=Not, Mount=SurfaceMount, Mounting Technology=SurfaceMount, Number of Pins=2, Number of Terminations=2, Packaging=TapeandReel, Power Rating=100mW, Radiation Hardening=No, REACH SVHC=NoSVHC, RoHSCompliant=True, Termination=SMD/SMT, Voltage Rating (DC)=50V, Width=0.02inch
R7: library part CMP-2000-00160-1, Manufacturer=Panasonic, Part Number=ERA-3AED9531V
R50 R51 R105 R106 R110 R112 R203 R204 R211 R212 R220 R221: library part CMP-2002-00432-1, Manufacturer=Panasonic, Part Number=ERJ-2GEJ102X
R111 R205 R206 R210: library part CMP-2002-00608-4, "RES SMD 100K OHM 1% 1/10W 0402", Case Code (Imperial)=0402, Case Code (Metric)=1005, Max Operating Temperature=155°C, Max Power Dissipation=100mW, Min Operating Temperature=-55°C, Package Quantity=1, Resistance=100kR, Temperature Coefficient=100ppm/°C, Tolerance=1%, Voltage Rating=50V, Case/Package=0402, Composition="Thick Film", Contact Plating=Tin, Depth=0.5mm, Features="Automotive AEC-Q200", Height=0.35mm, Lead Free="Lead Free", Length=1mm, Military Standard=Not, Mount="Surface Mount", Number of Pins=2, Number of Terminations=2, Packaging="Tape and Reel", Power Rating=100mW, Radiation Hardening=No, REACH SVHC="No SVHC", Termination=SMD/SMT, Voltage Rating (DC)=50V, Width=0.5mm
R301: library part CMP-03211-010675-1, "Res Thin Film 0402 59KΩ 0.1% 1/16W 10ppm/°C Molded SMD", Manufacturer="TE Connectivity", Package=RN731E, Power Rating=0.063W, Resistance=59KΩ, Temperature="-55°C to +155°C", Temperature Coefficient=10ppm/°C, Temperature Range High=+155°C, Temperature Range Low=-55°C, Tolerance=0.1%, Voltage Rating=25V, Automotive=No, Category=Res, ComponentLink2Description=Datasheet, ComponentLink2URL=https://www.te.com/commerce/DocumentDelivery/DDEController?Action=showdoc&DocId=Data+Sheet%7F1773270%7FP%7Fpdf%7FEnglish%7FENG_DS_1773270_P.pdf%7F1-1879132-6, Composition="Thin Film", Device Class L1="Passive Components", Device Class L2=Resistors, Device Class L3="Chip SMD Resistors", Height=0.35mm, Ipc Land Pattern Name=RESC10050X30, Lead Free=Yes, Manufacturer Part Number=RN73C1E59KBTD, Octopart=https://octopart.com/rn73c1e59kbtd-te+connectivity-76703336, octopart_url=https://octopart.com/rn73c1e59kbtd-te+connectivity-76703336, Packaging="5000 Reel", RoHS=TRUE, Series=RN73
R302: library part CMP-07231-005113-1, "Thick Film Chip Resistors 1206 3.3kΩ 0.25W 5% 200ppm/°C", Case Code (Imperial)=1206, Case Code (Metric)=3216, Max Operating Temperature=155°C, Max Power Dissipation=250mW, Min Operating Temperature=-55°C, Package Quantity=5000, Resistance=3.3kR, Temperature Coefficient=200ppm/°C, Tolerance=5%, Voltage Rating=200V, Case/Package=1206, Composition="Thick Film", Contact Plating=Tin, Depth=1.6mm, Features="Moisture Resistant", Height=0.03inch, Length=3.2mm, Military Standard=Not, Mount="Surface Mount", Number of Terminations=2, Packaging="Tape and Reel", Power Rating=250mW, Radiation Hardening=No, Termination=SMD/SMT, Thickness=610um, Width=1.6mm
R610 R611 R612 R613: library part CMP-2002-05893-1, Manufacturer=Panasonic, Part Number=ERA2AEB683X
R620: library part CMP-2002-00609-3, "Chip Resistor, 1 MOhm, +/- 1%, 100 mW, -55 to 155 degC, 0402 (1005 Metric), RoHS, Tape and Reel", Case Code (Imperial)=0402, Case Code (Metric)=1005, Manufacturer="Basic Passives", Max Operating Temperature="155 degC", Min Operating Temperature="-55 degC", Package Quantity=10000, Power Rating="100 mW", Resistance="1 MOhm", Tolerance=1%, Voltage Rating="50 V", Case\/Package=0402, ComponentLink1Description="Manufacturer URL", ComponentLink1URL=http://www.panasonic.com/, ComponentLink2Description=Datasheet, ComponentLink2URL=http://industrial.panasonic.com/cdbs/www-data/pdf/RDA0000/AOA0000C86.pdf, DatasheetVersion=04/2015, Height="0.35 mm", Length="1 mm", Mount="Surface Mount", Mounting Technology="Surface Mount", PackageDescription="2-Pin Surface Mount Device, Body 1 x 0.5 mm", PackageReference=0402, Packaging="Tape and Reel", PartNumber=ERJ-2RKF1004X, Pins=2, Radiation Hardening=No, REACH SVHC=Yes, RoHSCompliant=true, Weight=2.8E-05oz, Width="0.5 mm"
SW1: library part CMP-07018-000006-1, "SWITCH SLIDE DIP SPST 100MA 20V", Contact Resistance=25mR, Current Rating=100mA, Max Operating Temperature=85°C, Max Voltage Rating (DC)=20V, Min Operating Temperature=-55°C, Package Quantity=85, Actuator Length=0.25mm, Actuator Type="Slide (Standard)", Contact Material=Copper, Contact Plating=Gold, Depth=9.91mm, Electrical Life=2000Cycles, Height=4.05mm, Length=0.258inch, Max Current Rating=100mA, Mechanical Life=2000Cycles, Mount="Surface Mount", Number of Positions=2, Orientation=Straight, Packaging=Rail/Tube, Pitch=0.1inch, Radiation Hardening=No, RoHS Compliant=Yes, Terminal Pitch=2.54mm, Termination="Gull Wing", Throw Configuration=SPST, Voltage Rating (DC)=20V, Washable=Yes
U1: library part CMP-04877-000003-1, "IC USB 2.0 4PORT HUB 64HTQFP", Ambient Temperature Range High=+85°C, Ambient Temperature Range Low=-40°C, Manufacturer="Texas Instruments", Manufacturer Part Number=TUSB4041IPAPR, Max Junction Temp=+105°C, Max Supply Voltage=3.6V, Min Supply Voltage=0.99V, Nominal Supply Current=15uA, Package=PAP0064K, Temperature="-40°C to +85°C", Automotive=No, Category=IC, ComponentLink2Description=Datasheet, ComponentLink2URL=http://www.ti.com/lit/ds/symlink/tusb4041i.pdf, Data Rate=480Mbits/s, Device Class L1="Integrated Circuits (ICs)", Device Class L2="Interface ICs", Device Class L3="USB Interface ICs", Digikey Description="IC USB 2.0 4PORT HUB 64HTQFP", Height=1.2mm, Interface=I2C,USB,SMBus, Ipc Land Pattern Name=QFP50P1200X1200X120-64, Lead Free=Yes, Number Of Ports=4, Octopart=https://octopart.com/tusb4041ipapr-texas+instruments-61734371, RoHS=TRUE, Standoff Height=0.05mm, Temperature Range High=+85°C, Temperature Range Low=-40°C, Usb Standard="USB 2.0"
U10 U11: library part CMP-0326-00050-2, "Low-Capacitance + / - 15 kV ESD-Protection Array for High-Speed Data Interfaces, 2 Channels, -40 to +85 degC, 5-pin SOT (DRL), Green (RoHS & no Sb/Br)", Breakdown Voltage(Min)(V)=11, IO Capacitance(Typ)(pF)=1.5, IO Leakage Current(nA)=1, Manufacturer="Texas Instruments", ComponentLink1Description="Manufacturer URL", ComponentLink1URL=http://www.ti.com/, ComponentLink2Description=Datasheet, ComponentLink2URL=http://www.ti.com/general/docs/lit/getliterature.tsp?genericPartNumber=TPD2E001&fileType=pdf, ComponentLink3Description="URL Link1", ComponentLink3URL=SamplesURL:http://www.ti.com/product/tpd2e001#samples, DatasheetVersion=SLLS684F, Eco-Plan="Green (RoHS & no Sb/Br)", IEC 61000-4-2 Air-Gap(+/- kV)=15, IEC 61000-4-2 Contact(+/- kV)=8, Mounting Technology="Surface Mount", PackageDescription="5-Pin Plastic Small Outline, Flat Lead 0.5 mm Pitch", PackageReference=DRL0005A, PackageVersion="revD, Aug-2007", PartNumber=TPD2E001DRLRG4, SubFamily="ESD Solution", USB High Speed=TRUE
U12: library part CMP-06313-000176-1, "IC EEPROM 1KBIT I2C 1MHZ SOT23-5", Case/Package=SOT-23-5, Frequency=1MHz, Max Operating Temperature=85°C, Min Operating Temperature=-40°C, Access Time=450ns, Memory Size=1Kb, Memory Type=Non-Volatile, Mount="Surface Mount", Packaging="Cut Tape", RoHS Compliant=Yes, Series=-
U20: library part CMP-0394-01454-2, "Single Output LDO, 300 mA, Fixed 1.1 V Output, 2 to 5.5 V Input, with Low IQ, 6-pin WSON (DSE), -40 to 125 degC, Green (RoHS & no Sb/Br)", Manufacturer="Texas Instruments", Accuracy(%)=2, ComponentLink1Description="Manufacturer URL", ComponentLink1URL=http://www.ti.com/, ComponentLink2Description=Datasheet, ComponentLink2URL=http://www.ti.com/general/docs/lit/getliterature.tsp?genericPartNumber=TLV71211&fileType=pdf, ComponentLink3Description="Package Specification", ComponentLink3URL=http://www.ti.com/litv/pdf/mpds287, DatasheetVersion=SBVS150A, Eco-Plan="Green (RoHS & no Sb/Br)", Fixed Output Options(V)=1.1, Iout(Max)(A)=0.3, Iq(Typ)(mA)=0.035, Mounting Technology="Surface Mount", PackageDescription="6-Pin Plastic Small Outline, Body 1.5 x 1.5 mm, Pitch 0.5 mm", PackageReference=DSE0006A, PackageVersion=4207810/A, PartNumber=TLV71211DSET, SubFamily="Single Channel LDO", Vdo(Typ)(mV)=260, Vin(Max)(V)=5.5, Vin(Min)(V)=2, Vout Adj(Max)(V)=1.1, Vout Adj(Min)(V)=1.1
U101 U201: library part CMP-0248-00010-3, "IC USB SERIAL BASIC UART 16QFN", Case/Package=QFN, Max Operating Temperature=85°C, Max Supply Voltage=5.5V, Min Operating Temperature=-40°C, Min Supply Voltage=2.97V, Operating Supply Current=8mA, Operating Supply Voltage=5V, Package Quantity=5000, Data Rate=12Mbps, Height=0.75mm, Interface=USB, Lead Free="Lead Free", Length=4mm, Mount="Surface Mount", Number of Channels=1, Number of Pins=16, Packaging="Tape and Reel", Weight=0.002014oz, Width=4mm
U220: library part CMP-10140-000008-1, "IC LED DRVR LIN DIM 25MA 8TSSOP", Case/Package=TSSOP, Frequency=400kHz, Low Level Output Current=100mA, Max Operating Temperature=85°C, Max Power Dissipation=400mW, Max Supply Current=150uA, Max Supply Voltage=5.5V, Min Operating Temperature=-40°C, Min Supply Voltage=2.3V, Package Quantity=1, Lead Free="Lead Free", Mount="Surface Mount", Nominal Supply Current=150uA, Number of Outputs=4, Number of Pins=8, Number of Segments=4, Output Voltage=5.5V, Packaging="Tape and Reel", Power Dissipation=400mW, Radiation Hardening=No, RoHS Compliant=Yes, Series=-, Supply Current=150uA
U302: library part CMP-2000-07399-1, "Optocoupler, Phototransistor Output, High Temperature, 5000 VRMS, -55 to 110 degC, 4-Pin SMD, RoHS, Tape and Reel", Current - DC Forward (If)=60mA, Current - Output / Channel=50mA, Current Transfer Ratio (Max)=260%@5mA, Current Transfer Ratio (Min)=130%@5mA, Manufacturer=Vishay, OPERATING TEMPERATURE=-55°C~110°C, Package / Case=4-SMD,GullWing, Package Description="4-Pin Surface Mount Device, Body 6.5 x 4.58 mm, Pitch 2.54 mm", Package Reference=VO615A-XX017T, Standard Package=1, Supplier Device Package=4-SMD, Voltage - Forward (Vf) (Typ)=1.43V, Voltage - Isolation=5000Vrms, Voltage - Output=70V, Category=Isolators, Current - DC Forward (If) (Max)=60mA, Datasheet URL=http://www.vishay.com/docs/81753/vo615a.pdf, Datasheet Version="Rev. 2.2, 09/2013", Dynamic Catalog=VOS615A,VOS617A,VOS618ASeries, Family=Optoisolators-Transistor,PhotovoltaicOutput, Input Type=DC, Manufacturer URL=http://www.vishay.com/, Minimum Quantity=1, Mounting Technology=SurfaceMount, Mounting Type=SurfaceMount, Number of Channels=1, Other Names=VO615A-8X017TDKR, OUTPUT TYPE=Transistor, Package/Case=4-SMD,GullWing, Packaging=Digi-Reel®, Quantity Available=Tape&Reel(TR)AlternatePackaging, Rise / Fall Time (Typ)=3µs,4.7µs, Turn On / Turn Off Time (Typ)=6µs,5µs, Vce Saturation (Max)=300mV, Voltage - Output (Max)=70V
U303: library part CMP-04918-000656-1, "IC REG BUCK 3.3V 300MA SOT23-5", Case/Package=SOT-23-5, Max Input Voltage=6V, Max Operating Temperature=85°C, Max Output Current=300mA, Min Input Voltage=2.5V, Min Operating Temperature=-40°C, Min Output Voltage=3.3V, Nominal Supply Current=15uA, Package Quantity=3000, Switching Frequency=1MHz, Contact Plating=Gold, Efficiency=95%, Lead Free="Lead Free", Min Supply Voltage=2.5V, Mount="Surface Mount", Number of Outputs=1, Number of Pins=5, Operating Supply Voltage=6V, Output Configuration=Positive, Output Current=300mA, OUTPUT TYPE=Fixed, Output Voltage=3.3V, Packaging="Tape and Reel", Quiescent Current=15uA, Radiation Hardening=No, RoHS Compliant=Yes, Series=-, Supply Current=15uA, Synchronous Rectifier=Yes
U600: library part CMP-04873-000010-1, "IC STERO AUD CODEC W/USB 28SSOP", Case/Package=SSOP, Max Operating Temperature=85°C, Max Supply Voltage=3.6V, Min Operating Temperature=-25°C, Min Supply Voltage=3V, Nominal Supply Current=70mA, Operating Supply Voltage=3.3V, Package Quantity=50, Interface=USB, Lead Free="Lead Free", Mount="Surface Mount", Number of A/D Converters=2, Number of ADC Channels=2, Number of Analog Inputs=2, Number of Analog Outputs=2, Number of D/A Converters=2, Number of DAC Channels=2, Number of Pins=28, Packaging=Rail/Tube, Radiation Hardening=No, REACH SVHC="No SVHC", Resolution=16b, RoHS Compliant=Yes, Sampling Rate=48KS/s, Series=-, Signal to Noise Ratio (SNR)=89dB, Supply Current=70mA
U601: library part CMP-0991-00129-2, "1.45-W Mono Class-D Audio Amplifier with 1.8 V Compatible Shutdown Voltage, -40 to 85 degC, 8-pin SON (DRB8), Green (RoHS & no Sb/Br)", Manufacturer="Texas Instruments", Output Power(W)=1.45, Supply Max(Max)(Volt)=5.5, Supply Min(Min)(Volt)=2.5, ComponentLink1Description="Manufacturer URL", ComponentLink1URL=http://www.ti.com/, ComponentLink2Description=Datasheet, ComponentLink2URL=http://www.ti.com/general/docs/lit/getliterature.tsp?genericPartNumber=TPA2006D1&fileType=pdf, ComponentLink3Description="Package Specification", ComponentLink3URL=http://www.ti.com/litv/pdf/mpds118h, DatasheetVersion=SLOS498A, Eco-Plan="Green (RoHS & no Sb/Br)", Mounting Technology="Surface Mount", PackageDescription="8-Pin Plastic Small Outline, Body 3 x 3 mm, Pitch 0.65 mm", PackageReference=DRB0008A, PackageVersion="4203482-2/K, 06/2012", PartNumber=TPA2006D1DRBR, PSRR(dB)=-75, Speaker Amp Type=Class-D, Speaker Channels=Mono, SubFamily="Dynamic Speaker"
U602: library part CMP-27762-003220-1, "Crystal 12MHz ±20ppm 18pF SMD-4 3.2mm x 2.5mm", Case/Package=CSMD, ESR (Equivalent Series Resistance)=120R, Frequency=12MHz, Frequency Stability=50ppm, Frequency Tolerance=20ppm, Load Capacitance=18pF, Max Operating Temperature=70°C, Min Operating Temperature=-20°C, Operating Frequency="12 MHz", Package Quantity=1000, Resistor Type=Ceramic, Depth=2.5mm, Height=0.031inch, Lead Free="Lead Free", Length=3.2mm, Mount="Surface Mount", Number of Pins=4, Packaging="Tape and Reel", Radiation Hardening=No, REACH SVHC="No SVHC", RoHS Compliant=Yes, Series=ABM8, Series Resistance=120R, Termination=SMD/SMT, Tolerance=20ppm, Width=0.098inch
Y1: library part CMP-27762-013604-1, "Crystal 24MHz ±20ppm 18pF SMD-2 5mm x 3.2mm", Case/Package=CSMD, ESR (Equivalent Series Resistance)=30R, Frequency=24MHz, Frequency Stability=50ppm, Frequency Tolerance=20ppm, Load Capacitance=18pF, Max Operating Temperature=70°C, Min Operating Temperature=-20°C, Operating Frequency="24 MHz", Package Quantity=1000, Resistor Type=Ceramic, Series Resistance=50R, Accuracy=20ppm, Depth=3.2mm, Height=0.051inch, Lead Free="Lead Free", Length=5mm, Mount="Surface Mount", Number of Pins=2, Packaging="Tape and Reel", Radiation Hardening=No, REACH SVHC=Yes, Series=ABM3, Termination=SMD/SMT, Tolerance=20ppm, Width=3.2mm

## Free pads (board coordinates)
  round 4.5 hole 3.3: 7(4.45,20) 7(58.45,3) 7(58.45,37)

## Via types
v1: diameter 0.5, hole 0.2, Top Layer to Bottom Layer, 256 vias
v2: diameter 1.27, hole 0.711, Top Layer to Bottom Layer, 3 vias